# EAGLE board working (EAGLE 9.6.2), part 7 of 28 (continued)
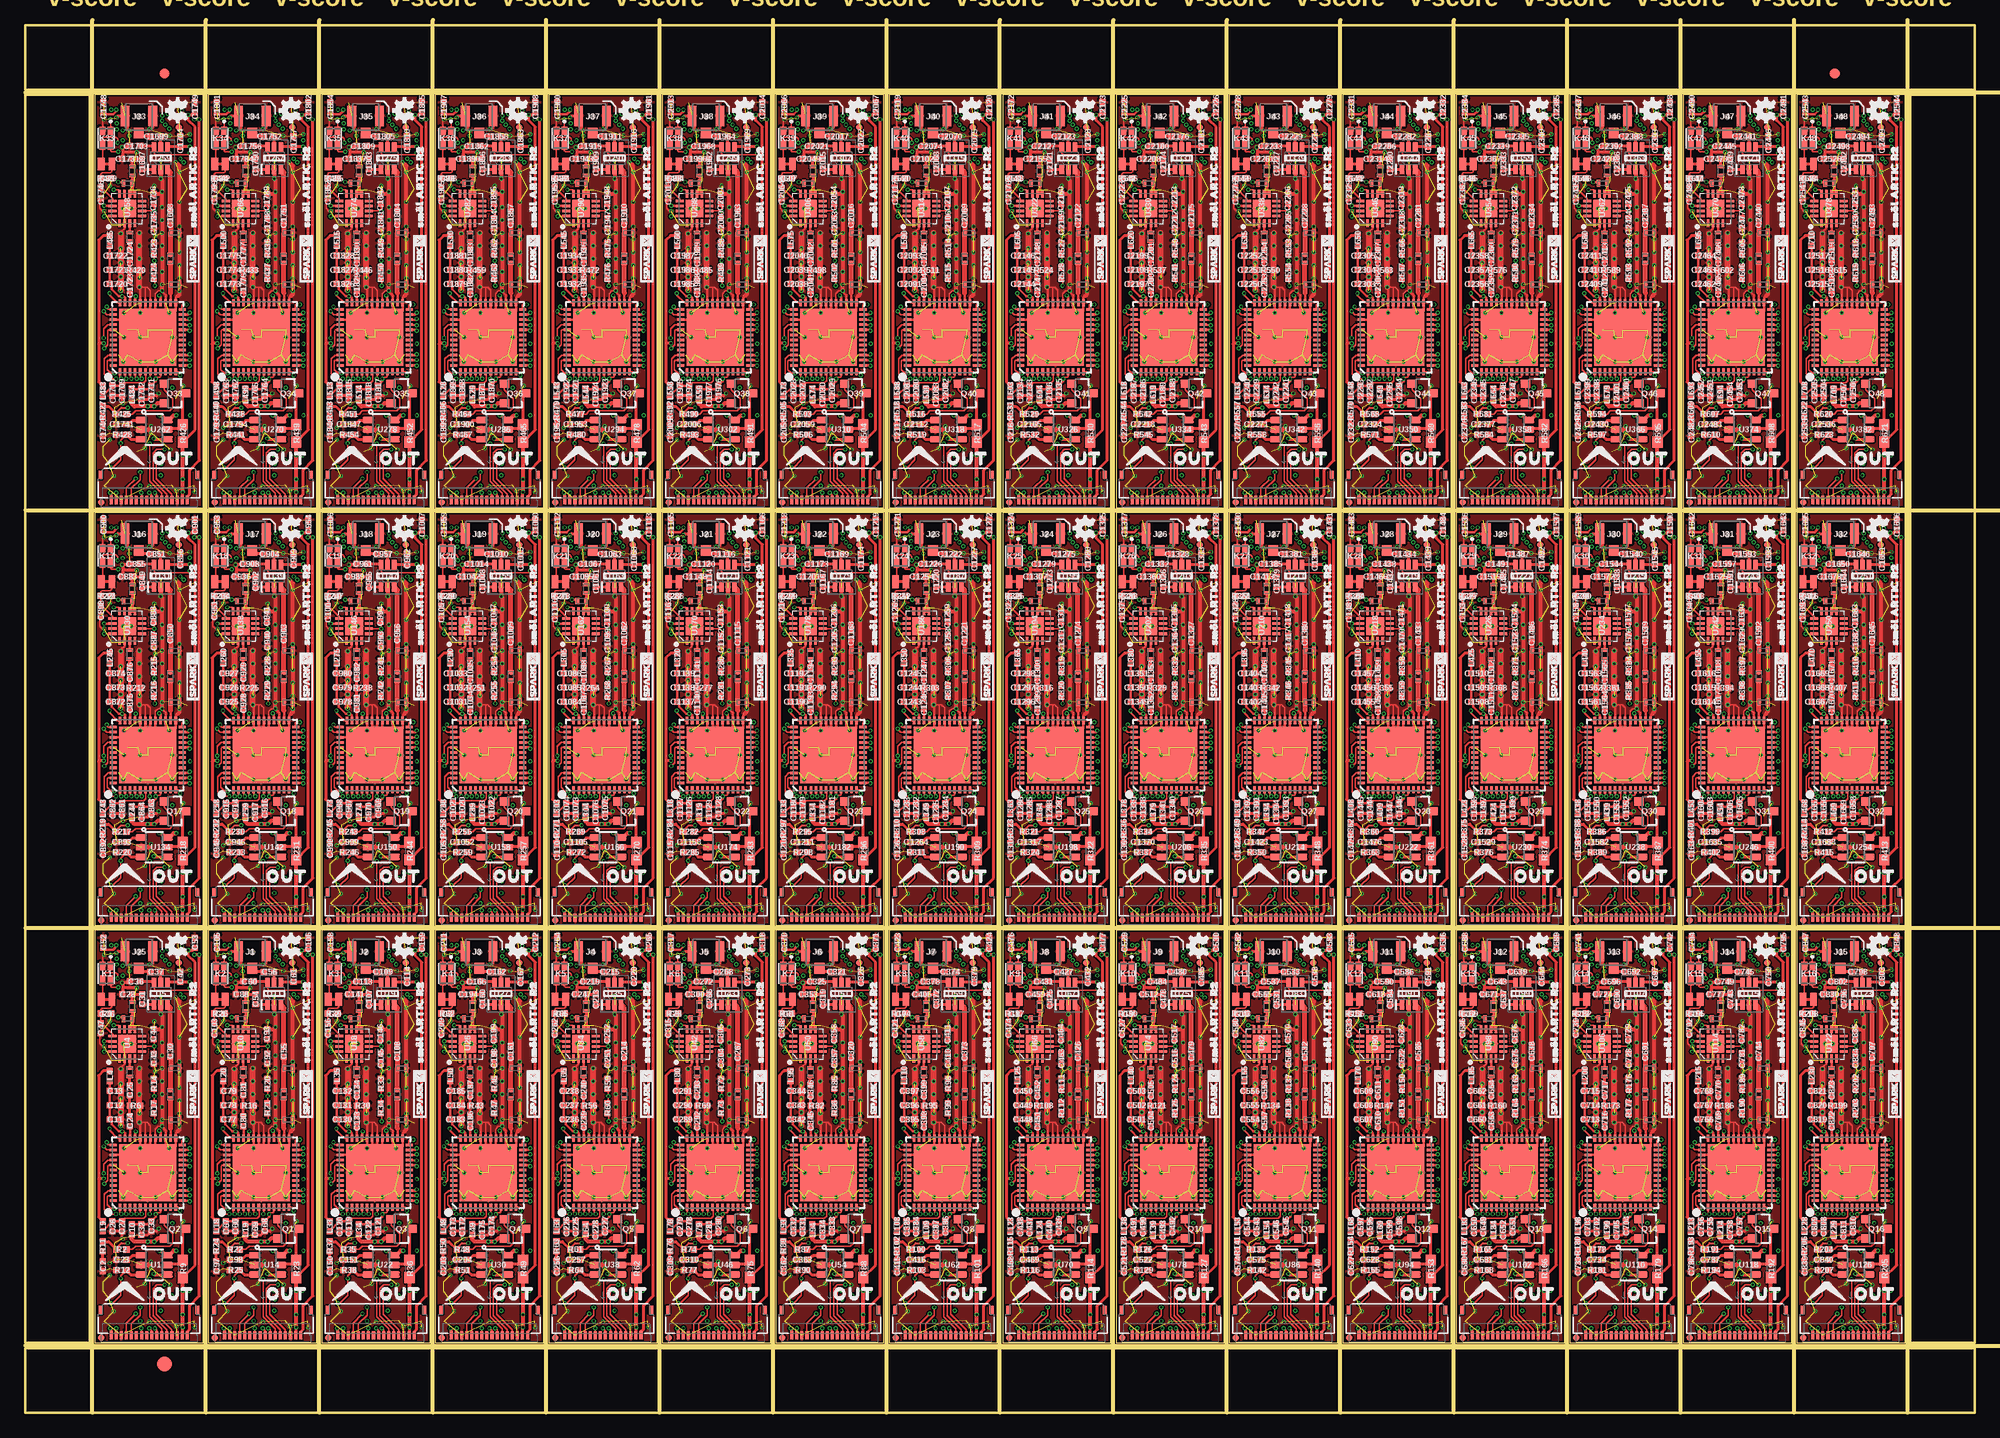
[diagram p0: board, top side]
## Nets
1.8V: 1V8.1 C4.1 L2.2 L4.2 L9.2 L13.2 L14.2 U2.5
1.8V1: 1V1.1 C57.1 L16.2 L18.2 L20.2 L22.2 L29.2 U12.5
1.8V2: 1V2.1 C110.1 L31.2 L33.2 L35.2 L37.2 L44.2 U20.5
1.8V3: 1V3.1 C163.1 L46.2 L48.2 L50.2 L52.2 L59.2 U28.5
1.8V4: 1V4.1 C216.1 L61.2 L63.2 L65.2 L67.2 L74.2 U36.5
1.8V5: 1V5.1 C269.1 L76.2 L78.2 L80.2 L82.2 L89.2 U44.5
1.8V6: 1V6.1 C322.1 L91.2 L93.2 L95.2 L97.2 L104.2 U52.5
1.8V7: 1V7.1 C375.1 L106.2 L108.2 L110.2 L112.2 L119.2 U60.5
1.8V8: 1V9.1 C428.1 L121.2 L123.2 L125.2 L127.2 L134.2 U68.5
1.8V9: 1V10.1 C481.1 L136.2 L138.2 L140.2 L142.2 L149.2 U76.5
1.8V10: 1V11.1 C534.1 L151.2 L153.2 L155.2 L157.2 L164.2 U84.5
1.8V11: 1V12.1 C587.1 L166.2 L168.2 L170.2 L172.2 L179.2 U92.5
1.8V12: 1V13.1 C640.1 L181.2 L183.2 L185.2 L187.2 L194.2 U100.5
1.8V13: 1V14.1 C693.1 L196.2 L198.2 L200.2 L202.2 L209.2 U108.5
1.8V14: 1V15.1 C746.1 L211.2 L213.2 L215.2 L217.2 L224.2 U116.5
1.8V15: 1V16.1 C799.1 L226.2 L228.2 L230.2 L232.2 L239.2 U124.5
1.8V16: 1V17.1 C852.1 L241.2 L243.2 L245.2 L247.2 L254.2 U132.5
1.8V17: 1V18.1 C905.1 L256.2 L258.2 L260.2 L262.2 L269.2 U140.5
1.8V18: 1V19.1 C958.1 L271.2 L273.2 L275.2 L277.2 L284.2 U148.5
1.8V19: 1V20.1 C1011.1 L286.2 L288.2 L290.2 L292.2 L299.2 U156.5
1.8V20: 1V21.1 C1064.1 L301.2 L303.2 L305.2 L307.2 L314.2 U164.5
1.8V21: 1V22.1 C1117.1 L316.2 L318.2 L320.2 L322.2 L329.2 U172.5
1.8V22: 1V23.1 C1170.1 L331.2 L333.2 L335.2 L337.2 L344.2 U180.5
1.8V23: 1V24.1 C1223.1 L346.2 L348.2 L350.2 L352.2 L359.2 U188.5
1.8V24: 1V25.1 C1276.1 L361.2 L363.2 L365.2 L367.2 L374.2 U196.5
1.8V25: 1V26.1 C1329.1 L376.2 L378.2 L380.2 L382.2 L389.2 U204.5
1.8V26: 1V27.1 C1382.1 L391.2 L393.2 L395.2 L397.2 L404.2 U212.5
1.8V27: 1V28.1 C1435.1 L406.2 L408.2 L410.2 L412.2 L419.2 U220.5
1.8V28: 1V29.1 C1488.1 L421.2 L423.2 L425.2 L427.2 L434.2 U228.5
1.8V29: 1V30.1 C1541.1 L436.2 L438.2 L440.2 L442.2 L449.2 U236.5
1.8V30: 1V31.1 C1594.1 L451.2 L453.2 L455.2 L457.2 L464.2 U244.5
1.8V31: 1V32.1 C1647.1 L466.2 L468.2 L470.2 L472.2 L479.2 U252.5
1.8V32: 1V33.1 C1700.1 L481.2 L483.2 L485.2 L487.2 L494.2 U260.5
1.8V33: 1V34.1 C1753.1 L496.2 L498.2 L500.2 L502.2 L509.2 U268.5
1.8V34: 1V35.1 C1806.1 L511.2 L513.2 L515.2 L517.2 L524.2 U276.5
1.8V35: 1V36.1 C1859.1 L526.2 L528.2 L530.2 L532.2 L539.2 U284.5
1.8V36: 1V37.1 C1912.1 L541.2 L543.2 L545.2 L547.2 L554.2 U292.5
1.8V37: 1V38.1 C1965.1 L556.2 L558.2 L560.2 L562.2 L569.2 U300.5
1.8V38: 1V39.1 C2018.1 L571.2 L573.2 L575.2 L577.2 L584.2 U308.5
1.8V39: 1V40.1 C2071.1 L586.2 L588.2 L590.2 L592.2 L599.2 U316.5
1.8V40: 1V41.1 C2124.1 L601.2 L603.2 L605.2 L607.2 L614.2 U324.5
1.8V41: 1V42.1 C2177.1 L616.2 L618.2 L620.2 L622.2 L629.2 U332.5
1.8V42: 1V43.1 C2230.1 L631.2 L633.2 L635.2 L637.2 L644.2 U340.5
1.8V43: 1V44.1 C2283.1 L646.2 L648.2 L650.2 L652.2 L659.2 U348.5
1.8V44: 1V45.1 C2336.1 L661.2 L663.2 L665.2 L667.2 L674.2 U356.5
1.8V45: 1V46.1 C2389.1 L676.2 L678.2 L680.2 L682.2 L689.2 U364.5
1.8V46: 1V47.1 C2442.1 L691.2 L693.2 L695.2 L697.2 L704.2 U372.5
1.8V47: 1V48.1 C2495.1 L706.2 L708.2 L710.2 L712.2 L719.2 U380.5
3.3V: C1.1 C48.1 C52.1 C53.1 IN.2 IN.15 OUT.2 OUT.15 R9.2 U1.6
3.3V1: C59.1 C96.1 C105.1 C106.1 IN1.2 IN1.15 OUT1.2 OUT1.15 R23.2 U14.6
3.3V2: C112.1 C149.1 C158.1 C159.1 IN2.2 IN2.15 OUT2.2 OUT2.15 R36.2 U22.6
3.3V3: C165.1 C202.1 C211.1 C212.1 IN3.2 IN3.15 OUT3.2 OUT3.15 R49.2 U30.6
3.3V4: C218.1 C255.1 C264.1 C265.1 IN4.2 IN4.15 OUT4.2 OUT4.15 R62.2 U38.6
3.3V5: C271.1 C308.1 C317.1 C318.1 IN5.2 IN5.15 OUT5.2 OUT5.15 R75.2 U46.6
3.3V6: C324.1 C361.1 C370.1 C371.1 IN6.2 IN6.15 OUT6.2 OUT6.15 R88.2 U54.6
3.3V7: C377.1 C414.1 C423.1 C424.1 IN7.2 IN7.15 OUT7.2 OUT7.15 R101.2 U62.6
3.3V8: C430.1 C467.1 C476.1 C477.1 IN8.2 IN8.15 OUT8.2 OUT8.15 R114.2 U70.6
3.3V9: C483.1 C520.1 C529.1 C530.1 IN9.2 IN9.15 OUT9.2 OUT9.15 R127.2 U78.6
3.3V10: C536.1 C573.1 C582.1 C583.1 IN10.2 IN10.15 OUT10.2 OUT10.15 R140.2 U86.6
3.3V11: C589.1 C626.1 C635.1 C636.1 IN11.2 IN11.15 OUT11.2 OUT11.15 R153.2 U94.6
3.3V12: C642.1 C679.1 C688.1 C689.1 IN12.2 IN12.15 OUT12.2 OUT12.15 R166.2 U102.6
3.3V13: C695.1 C732.1 C741.1 C742.1 IN13.2 IN13.15 OUT13.2 OUT13.15 R179.2 U110.6
3.3V14: C748.1 C785.1 C794.1 C795.1 IN14.2 IN14.15 OUT14.2 OUT14.15 R192.2 U118.6
3.3V15: C801.1 C838.1 C847.1 C848.1 IN15.2 IN15.15 OUT15.2 OUT15.15 R205.2 U126.6
3.3V16: C854.1 C891.1 C900.1 C901.1 IN16.2 IN16.15 OUT16.2 OUT16.15 R218.2 U134.6
3.3V17: C907.1 C944.1 C953.1 C954.1 IN17.2 IN17.15 OUT17.2 OUT17.15 R231.2 U142.6
3.3V18: C960.1 C997.1 C1006.1 C1007.1 IN18.2 IN18.15 OUT18.2 OUT18.15 R244.2 U150.6
3.3V19: C1013.1 C1050.1 C1059.1 C1060.1 IN19.2 IN19.15 OUT19.2 OUT19.15 R257.2 U158.6
3.3V20: C1066.1 C1103.1 C1112.1 C1113.1 IN20.2 IN20.15 OUT20.2 OUT20.15 R270.2 U166.6
3.3V21: C1119.1 C1156.1 C1165.1 C1166.1 IN21.2 IN21.15 OUT21.2 OUT21.15 R283.2 U174.6
3.3V22: C1172.1 C1209.1 C1218.1 C1219.1 IN22.2 IN22.15 OUT22.2 OUT22.15 R296.2 U182.6
3.3V23: C1225.1 C1262.1 C1271.1 C1272.1 IN23.2 IN23.15 OUT23.2 OUT23.15 R309.2 U190.6
3.3V24: C1278.1 C1315.1 C1324.1 C1325.1 IN24.2 IN24.15 OUT24.2 OUT24.15 R322.2 U198.6
3.3V25: C1331.1 C1368.1 C1377.1 C1378.1 IN25.2 IN25.15 OUT25.2 OUT25.15 R335.2 U206.6
3.3V26: C1384.1 C1421.1 C1430.1 C1431.1 IN26.2 IN26.15 OUT26.2 OUT26.15 R348.2 U214.6
3.3V27: C1437.1 C1474.1 C1483.1 C1484.1 IN27.2 IN27.15 OUT27.2 OUT27.15 R361.2 U222.6
3.3V28: C1490.1 C1527.1 C1536.1 C1537.1 IN28.2 IN28.15 OUT28.2 OUT28.15 R374.2 U230.6
3.3V29: C1543.1 C1580.1 C1589.1 C1590.1 IN29.2 IN29.15 OUT29.2 OUT29.15 R387.2 U238.6
3.3V30: C1596.1 C1633.1 C1642.1 C1643.1 IN30.2 IN30.15 OUT30.2 OUT30.15 R400.2 U246.6
3.3V31: C1649.1 C1686.1 C1695.1 C1696.1 IN31.2 IN31.15 OUT31.2 OUT31.15 R413.2 U254.6
3.3V32: C1702.1 C1739.1 C1748.1 C1749.1 IN32.2 IN32.15 OUT32.2 OUT32.15 R426.2 U262.6
3.3V33: C1755.1 C1792.1 C1801.1 C1802.1 IN33.2 IN33.15 OUT33.2 OUT33.15 R439.2 U270.6
3.3V34: C1808.1 C1845.1 C1854.1 C1855.1 IN34.2 IN34.15 OUT34.2 OUT34.15 R452.2 U278.6
3.3V35: C1861.1 C1898.1 C1907.1 C1908.1 IN35.2 IN35.15 OUT35.2 OUT35.15 R465.2 U286.6
3.3V36: C1914.1 C1951.1 C1960.1 C1961.1 IN36.2 IN36.15 OUT36.2 OUT36.15 R478.2 U294.6
3.3V37: C1967.1 C2004.1 C2013.1 C2014.1 IN37.2 IN37.15 OUT37.2 OUT37.15 R491.2 U302.6
3.3V38: C2020.1 C2057.1 C2066.1 C2067.1 IN38.2 IN38.15 OUT38.2 OUT38.15 R504.2 U310.6
3.3V39: C2073.1 C2110.1 C2119.1 C2120.1 IN39.2 IN39.15 OUT39.2 OUT39.15 R517.2 U318.6
3.3V40: C2126.1 C2163.1 C2172.1 C2173.1 IN40.2 IN40.15 OUT40.2 OUT40.15 R530.2 U326.6
3.3V41: C2179.1 C2216.1 C2225.1 C2226.1 IN41.2 IN41.15 OUT41.2 OUT41.15 R543.2 U334.6
3.3V42: C2232.1 C2269.1 C2278.1 C2279.1 IN42.2 IN42.15 OUT42.2 OUT42.15 R556.2 U342.6
3.3V43: C2285.1 C2322.1 C2331.1 C2332.1 IN43.2 IN43.15 OUT43.2 OUT43.15 R569.2 U350.6
3.3V44: C2338.1 C2375.1 C2384.1 C2385.1 IN44.2 IN44.15 OUT44.2 OUT44.15 R582.2 U358.6
3.3V45: C2391.1 C2428.1 C2437.1 C2438.1 IN45.2 IN45.15 OUT45.2 OUT45.15 R595.2 U366.6
3.3V46: C2444.1 C2481.1 C2490.1 C2491.1 IN46.2 IN46.15 OUT46.2 OUT46.15 R608.2 U374.6
3.3V47: C2497.1 C2534.1 C2543.1 C2544.1 IN47.2 IN47.15 OUT47.2 OUT47.15 R621.2 U382.6
ANTENNA: C37.1 J25.FEED
ANTENNA1: C56.1 J1.FEED
ANTENNA2: C109.1 J2.FEED
ANTENNA3: C162.1 J3.FEED
ANTENNA4: C215.1 J4.FEED
ANTENNA5: C268.1 J5.FEED
ANTENNA6: C321.1 J6.FEED
ANTENNA7: C374.1 J7.FEED
ANTENNA8: C427.1 J8.FEED
ANTENNA9: C480.1 J9.FEED
ANTENNA10: C533.1 J10.FEED
ANTENNA11: C586.1 J11.FEED
ANTENNA12: C639.1 J12.FEED
ANTENNA13: C692.1 J13.FEED
ANTENNA14: C745.1 J14.FEED
ANTENNA15: C798.1 J15.FEED
ANTENNA16: C851.1 J16.FEED
ANTENNA17: C904.1 J17.FEED
ANTENNA18: C957.1 J18.FEED
ANTENNA19: C1010.1 J19.FEED
ANTENNA20: C1063.1 J20.FEED
ANTENNA21: C1116.1 J21.FEED
ANTENNA22: C1169.1 J22.FEED
ANTENNA23: C1222.1 J23.FEED
ANTENNA24: C1275.1 J24.FEED
ANTENNA25: C1328.1 J26.FEED
ANTENNA26: C1381.1 J27.FEED
ANTENNA27: C1434.1 J28.FEED
ANTENNA28: C1487.1 J29.FEED
ANTENNA29: C1540.1 J30.FEED
ANTENNA30: C1593.1 J31.FEED
ANTENNA31: C1646.1 J32.FEED
ANTENNA32: C1699.1 J33.FEED
ANTENNA33: C1752.1 J34.FEED
ANTENNA34: C1805.1 J35.FEED
ANTENNA35: C1858.1 J36.FEED
ANTENNA36: C1911.1 J37.FEED
ANTENNA37: C1964.1 J38.FEED
ANTENNA38: C2017.1 J39.FEED
ANTENNA39: C2070.1 J40.FEED
ANTENNA40: C2123.1 J41.FEED
ANTENNA41: C2176.1 J42.FEED
ANTENNA42: C2229.1 J43.FEED
ANTENNA43: C2282.1 J44.FEED
ANTENNA44: C2335.1 J45.FEED
ANTENNA45: C2388.1 J46.FEED
ANTENNA46: C2441.1 J47.FEED
ANTENNA47: C2494.1 J48.FEED
BOOT: R5.1 U3.46 U8.3
BOOT1: R13.1 U9.46 U16.3
BOOT2: R28.1 U17.46 U24.3
BOOT3: R41.1 U25.46 U32.3
BOOT4: R54.1 U33.46 U40.3
BOOT5: R67.1 U41.46 U48.3
BOOT6: R80.1 U49.46 U56.3
BOOT7: R93.1 U57.46 U64.3
BOOT8: R106.1 U65.46 U72.3
BOOT9: R119.1 U73.46 U80.3
BOOT10: R132.1 U81.46 U88.3
BOOT11: R145.1 U89.46 U96.3
BOOT12: R158.1 U97.46 U104.3
BOOT13: R171.1 U105.46 U112.3
BOOT14: R184.1 U113.46 U120.3
BOOT15: R197.1 U121.46 U128.3
BOOT16: R210.1 U129.46 U136.3
BOOT17: R223.1 U137.46 U144.3
BOOT18: R236.1 U145.46 U152.3
BOOT19: R249.1 U153.46 U160.3
BOOT20: R262.1 U161.46 U168.3
BOOT21: R275.1 U169.46 U176.3
BOOT22: R288.1 U177.46 U184.3
BOOT23: R301.1 U185.46 U192.3
BOOT24: R314.1 U193.46 U200.3
BOOT25: R327.1 U201.46 U208.3
BOOT26: R340.1 U209.46 U216.3
BOOT27: R353.1 U217.46 U224.3
BOOT28: R366.1 U225.46 U232.3
BOOT29: R379.1 U233.46 U240.3
BOOT30: R392.1 U241.46 U248.3
BOOT31: R405.1 U249.46 U256.3
BOOT32: R418.1 U257.46 U264.3
BOOT33: R431.1 U265.46 U272.3
BOOT34: R444.1 U273.46 U280.3
BOOT35: R457.1 U281.46 U288.3
BOOT36: R470.1 U289.46 U296.3
BOOT37: R483.1 U297.46 U304.3
BOOT38: R496.1 U305.46 U312.3
BOOT39: R509.1 U313.46 U320.3
BOOT40: R522.1 U321.46 U328.3
BOOT41: R535.1 U329.46 U336.3
BOOT42: R548.1 U337.46 U344.3
BOOT43: R561.1 U345.46 U352.3
BOOT44: R574.1 U353.46 U360.3
BOOT45: R587.1 U361.46 U368.3
BOOT46: R600.1 U369.46 U376.3
BOOT47: R613.1 U377.46 U384.3
CIPO: IN.6 OUT.6 U3.5
CIPO1: IN1.6 OUT1.6 U9.5
CIPO2: IN2.6 OUT2.6 U17.5
CIPO3: IN3.6 OUT3.6 U25.5
CIPO4: IN4.6 OUT4.6 U33.5
CIPO5: IN5.6 OUT5.6 U41.5
CIPO6: IN6.6 OUT6.6 U49.5
CIPO7: IN7.6 OUT7.6 U57.5
CIPO8: IN8.6 OUT8.6 U65.5
CIPO9: IN9.6 OUT9.6 U73.5
CIPO10: IN10.6 OUT10.6 U81.5
CIPO11: IN11.6 OUT11.6 U89.5
CIPO12: IN12.6 OUT12.6 U97.5
CIPO13: IN13.6 OUT13.6 U105.5
CIPO14: IN14.6 OUT14.6 U113.5
CIPO15: IN15.6 OUT15.6 U121.5
CIPO16: IN16.6 OUT16.6 U129.5
CIPO17: IN17.6 OUT17.6 U137.5
CIPO18: IN18.6 OUT18.6 U145.5
CIPO19: IN19.6 OUT19.6 U153.5
CIPO20: IN20.6 OUT20.6 U161.5
CIPO21: IN21.6 OUT21.6 U169.5
CIPO22: IN22.6 OUT22.6 U177.5
CIPO23: IN23.6 OUT23.6 U185.5
CIPO24: IN24.6 OUT24.6 U193.5
CIPO25: IN25.6 OUT25.6 U201.5
CIPO26: IN26.6 OUT26.6 U209.5
CIPO27: IN27.6 OUT27.6 U217.5
CIPO28: IN28.6 OUT28.6 U225.5
CIPO29: IN29.6 OUT29.6 U233.5
CIPO30: IN30.6 OUT30.6 U241.5
CIPO31: IN31.6 OUT31.6 U249.5
CIPO32: IN32.6 OUT32.6 U257.5
CIPO33: IN33.6 OUT33.6 U265.5
CIPO34: IN34.6 OUT34.6 U273.5
CIPO35: IN35.6 OUT35.6 U281.5
CIPO36: IN36.6 OUT36.6 U289.5
CIPO37: IN37.6 OUT37.6 U297.5
CIPO38: IN38.6 OUT38.6 U305.5
CIPO39: IN39.6 OUT39.6 U313.5
CIPO40: IN40.6 OUT40.6 U321.5
CIPO41: IN41.6 OUT41.6 U329.5
CIPO42: IN42.6 OUT42.6 U337.5
CIPO43: IN43.6 OUT43.6 U345.5
CIPO44: IN44.6 OUT44.6 U353.5
CIPO45: IN45.6 OUT45.6 U361.5
CIPO46: IN46.6 OUT46.6 U369.5
CIPO47: IN47.6 OUT47.6 U377.5
COPI: IN.5 OUT.5 U3.4
COPI1: IN1.5 OUT1.5 U9.4
COPI2: IN2.5 OUT2.5 U17.4
COPI3: IN3.5 OUT3.5 U25.4
COPI4: IN4.5 OUT4.5 U33.4
COPI5: IN5.5 OUT5.5 U41.4
COPI6: IN6.5 OUT6.5 U49.4
COPI7: IN7.5 OUT7.5 U57.4
COPI8: IN8.5 OUT8.5 U65.4
COPI9: IN9.5 OUT9.5 U73.4
COPI10: IN10.5 OUT10.5 U81.4
COPI11: IN11.5 OUT11.5 U89.4
COPI12: IN12.5 OUT12.5 U97.4
COPI13: IN13.5 OUT13.5 U105.4
COPI14: IN14.5 OUT14.5 U113.4
COPI15: IN15.5 OUT15.5 U121.4
COPI16: IN16.5 OUT16.5 U129.4
COPI17: IN17.5 OUT17.5 U137.4
COPI18: IN18.5 OUT18.5 U145.4
COPI19: IN19.5 OUT19.5 U153.4
COPI20: IN20.5 OUT20.5 U161.4
COPI21: IN21.5 OUT21.5 U169.4
COPI22: IN22.5 OUT22.5 U177.4
COPI23: IN23.5 OUT23.5 U185.4
COPI24: IN24.5 OUT24.5 U193.4
COPI25: IN25.5 OUT25.5 U201.4
COPI26: IN26.5 OUT26.5 U209.4
COPI27: IN27.5 OUT27.5 U217.4
COPI28: IN28.5 OUT28.5 U225.4
COPI29: IN29.5 OUT29.5 U233.4
COPI30: IN30.5 OUT30.5 U241.4
COPI31: IN31.5 OUT31.5 U249.4
COPI32: IN32.5 OUT32.5 U257.4
COPI33: IN33.5 OUT33.5 U265.4
COPI34: IN34.5 OUT34.5 U273.4
COPI35: IN35.5 OUT35.5 U281.4
COPI36: IN36.5 OUT36.5 U289.4
COPI37: IN37.5 OUT37.5 U297.4
COPI38: IN38.5 OUT38.5 U305.4
COPI39: IN39.5 OUT39.5 U313.4
COPI40: IN40.5 OUT40.5 U321.4
COPI41: IN41.5 OUT41.5 U329.4
COPI42: IN42.5 OUT42.5 U337.4
COPI43: IN43.5 OUT43.5 U345.4
COPI44: IN44.5 OUT44.5 U353.4
COPI45: IN45.5 OUT45.5 U361.4
COPI46: IN46.5 OUT46.5 U369.4
COPI47: IN47.5 OUT47.5 U377.4
CS0: CS0.1 IN.7 U3.2
CS1: IN.8 OUT.7
CS2: IN.9 OUT.8
CS3: CS1.1 IN1.7 U9.2
CS4: IN1.8 OUT1.7
CS5: IN1.9 OUT1.8
CS6: CS2.1 IN2.7 U17.2
CS7: IN2.8 OUT2.7
CS8: IN2.9 OUT2.8
CS9: CS3.1 IN3.7 U25.2
CS10: IN3.8 OUT3.7
CS11: IN3.9 OUT3.8
CS12: CS4.1 IN4.7 U33.2
CS13: IN4.8 OUT4.7
CS14: IN4.9 OUT4.8
CS15: CS5.1 IN5.7 U41.2
CS16: IN5.8 OUT5.7
CS17: IN5.9 OUT5.8
CS18: CS6.1 IN6.7 U49.2
CS19: IN6.8 OUT6.7
CS20: IN6.9 OUT6.8
CS21: CS7.1 IN7.7 U57.2
CS22: IN7.8 OUT7.7
CS23: IN7.9 OUT7.8
CS24: CS8.1 IN8.7 U65.2
CS25: IN8.8 OUT8.7
CS26: IN8.9 OUT8.8
CS27: CS9.1 IN9.7 U73.2
CS28: IN9.8 OUT9.7
CS29: IN9.9 OUT9.8
CS30: CS10.1 IN10.7 U81.2
CS31: IN10.8 OUT10.7
CS32: IN10.9 OUT10.8
CS33: CS11.1 IN11.7 U89.2
CS34: IN11.8 OUT11.7
CS35: IN11.9 OUT11.8
CS36: CS12.1 IN12.7 U97.2
CS37: IN12.8 OUT12.7
CS38: IN12.9 OUT12.8
CS39: CS13.1 IN13.7 U105.2
CS40: IN13.8 OUT13.7
CS41: IN13.9 OUT13.8
CS42: CS14.1 IN14.7 U113.2
CS43: IN14.8 OUT14.7
CS44: IN14.9 OUT14.8
CS45: CS15.1 IN15.7 U121.2
CS46: IN15.8 OUT15.7
CS47: IN15.9 OUT15.8
CS48: CS16.1 IN16.7 U129.2
CS49: IN16.8 OUT16.7
CS50: IN16.9 OUT16.8
CS51: CS17.1 IN17.7 U137.2
CS52: IN17.8 OUT17.7
CS53: IN17.9 OUT17.8
CS54: CS18.1 IN18.7 U145.2
CS55: IN18.8 OUT18.7
CS56: IN18.9 OUT18.8
CS57: CS19.1 IN19.7 U153.2
CS58: IN19.8 OUT19.7
CS59: IN19.9 OUT19.8
CS60: CS20.1 IN20.7 U161.2
CS61: IN20.8 OUT20.7
CS62: IN20.9 OUT20.8
CS63: CS21.1 IN21.7 U169.2
CS64: IN21.8 OUT21.7
CS65: IN21.9 OUT21.8
CS66: CS22.1 IN22.7 U177.2
CS67: IN22.8 OUT22.7
CS68: IN22.9 OUT22.8
CS69: CS23.1 IN23.7 U185.2
CS70: IN23.8 OUT23.7
CS71: IN23.9 OUT23.8
CS72: CS24.1 IN24.7 U193.2
CS73: IN24.8 OUT24.7
CS74: IN24.9 OUT24.8
CS75: CS25.1 IN25.7 U201.2
CS76: IN25.8 OUT25.7
CS77: IN25.9 OUT25.8
CS78: CS26.1 IN26.7 U209.2
CS79: IN26.8 OUT26.7
CS80: IN26.9 OUT26.8
CS81: CS27.1 IN27.7 U217.2
CS82: IN27.8 OUT27.7
CS83: IN27.9 OUT27.8
CS84: CS28.1 IN28.7 U225.2
CS85: IN28.8 OUT28.7
CS86: IN28.9 OUT28.8
CS87: CS29.1 IN29.7 U233.2
CS88: IN29.8 OUT29.7
CS89: IN29.9 OUT29.8
CS90: CS30.1 IN30.7 U241.2
CS91: IN30.8 OUT30.7
CS92: IN30.9 OUT30.8
CS93: CS31.1 IN31.7 U249.2
CS94: IN31.8 OUT31.7
CS95: IN31.9 OUT31.8
CS96: CS32.1 IN32.7 U257.2
CS97: IN32.8 OUT32.7
CS98: IN32.9 OUT32.8
CS99: CS33.1 IN33.7 U265.2
CS100: IN33.8 OUT33.7
CS101: IN33.9 OUT33.8
CS102: CS34.1 IN34.7 U273.2
CS103: IN34.8 OUT34.7
CS104: IN34.9 OUT34.8
CS105: CS35.1 IN35.7 U281.2
CS106: IN35.8 OUT35.7
CS107: IN35.9 OUT35.8
CS108: CS36.1 IN36.7 U289.2
CS109: IN36.8 OUT36.7
CS110: IN36.9 OUT36.8
CS111: CS37.1 IN37.7 U297.2
CS112: IN37.8 OUT37.7
CS113: IN37.9 OUT37.8
CS114: CS38.1 IN38.7 U305.2
CS115: IN38.8 OUT38.7
CS116: IN38.9 OUT38.8
CS117: CS39.1 IN39.7 U313.2
CS118: IN39.8 OUT39.7
CS119: IN39.9 OUT39.8
CS120: CS40.1 IN40.7 U321.2
CS121: IN40.8 OUT40.7
CS122: IN40.9 OUT40.8
CS123: CS41.1 IN41.7 U329.2
CS124: IN41.8 OUT41.7
CS125: IN41.9 OUT41.8
CS126: CS42.1 IN42.7 U337.2
CS127: IN42.8 OUT42.7
CS128: IN42.9 OUT42.8
CS129: CS43.1 IN43.7 U345.2
CS130: IN43.8 OUT43.7
CS131: IN43.9 OUT43.8
CS132: CS44.1 IN44.7 U353.2
CS133: IN44.8 OUT44.7
CS134: IN44.9 OUT44.8
CS135: CS45.1 IN45.7 U361.2
CS136: IN45.8 OUT45.7
CS137: IN45.9 OUT45.8
CS138: CS46.1 IN46.7 U369.2
CS139: IN46.8 OUT46.7
CS140: IN46.9 OUT46.8
CS141: CS47.1 IN47.7 U377.2
CS142: IN47.8 OUT47.7
CS143: IN47.9 OUT47.8
FLASH_VCC: C50.1 L1.1 U7.3 U7.7 U7.8
FLASH_VCC1: C102.1 L30.1 U15.3 U15.7 U15.8
FLASH_VCC2: C155.1 L45.1 U23.3 U23.7 U23.8
FLASH_VCC3: C208.1 L60.1 U31.3 U31.7 U31.8
FLASH_VCC4: C261.1 L75.1 U39.3 U39.7 U39.8
FLASH_VCC5: C314.1 L90.1 U47.3 U47.7 U47.8
FLASH_VCC6: C367.1 L105.1 U55.3 U55.7 U55.8
FLASH_VCC7: C420.1 L120.1 U63.3 U63.7 U63.8
FLASH_VCC8: C473.1 L135.1 U71.3 U71.7 U71.8
FLASH_VCC9: C526.1 L150.1 U79.3 U79.7 U79.8
FLASH_VCC10: C579.1 L165.1 U87.3 U87.7 U87.8
FLASH_VCC11: C632.1 L180.1 U95.3 U95.7 U95.8
FLASH_VCC12: C685.1 L195.1 U103.3 U103.7 U103.8
FLASH_VCC13: C738.1 L210.1 U111.3 U111.7 U111.8
FLASH_VCC14: C791.1 L225.1 U119.3 U119.7 U119.8
FLASH_VCC15: C844.1 L240.1 U127.3 U127.7 U127.8
FLASH_VCC16: C897.1 L255.1 U135.3 U135.7 U135.8
FLASH_VCC17: C950.1 L270.1 U143.3 U143.7 U143.8
FLASH_VCC18: C1003.1 L285.1 U151.3 U151.7 U151.8
FLASH_VCC19: C1056.1 L300.1 U159.3 U159.7 U159.8
FLASH_VCC20: C1109.1 L315.1 U167.3 U167.7 U167.8
FLASH_VCC21: C1162.1 L330.1 U175.3 U175.7 U175.8
FLASH_VCC22: C1215.1 L345.1 U183.3 U183.7 U183.8
FLASH_VCC23: C1268.1 L360.1 U191.3 U191.7 U191.8
FLASH_VCC24: C1321.1 L375.1 U199.3 U199.7 U199.8
FLASH_VCC25: C1374.1 L390.1 U207.3 U207.7 U207.8
FLASH_VCC26: C1427.1 L405.1 U215.3 U215.7 U215.8
FLASH_VCC27: C1480.1 L420.1 U223.3 U223.7 U223.8
FLASH_VCC28: C1533.1 L435.1 U231.3 U231.7 U231.8
FLASH_VCC29: C1586.1 L450.1 U239.3 U239.7 U239.8
FLASH_VCC30: C1639.1 L465.1 U247.3 U247.7 U247.8
FLASH_VCC31: C1692.1 L480.1 U255.3 U255.7 U255.8
FLASH_VCC32: C1745.1 L495.1 U263.3 U263.7 U263.8
FLASH_VCC33: C1798.1 L510.1 U271.3 U271.7 U271.8
FLASH_VCC34: C1851.1 L525.1 U279.3 U279.7 U279.8
FLASH_VCC35: C1904.1 L540.1 U287.3 U287.7 U287.8
FLASH_VCC36: C1957.1 L555.1 U295.3 U295.7 U295.8
FLASH_VCC37: C2010.1 L570.1 U303.3 U303.7 U303.8
FLASH_VCC38: C2063.1 L585.1 U311.3 U311.7 U311.8
FLASH_VCC39: C2116.1 L600.1 U319.3 U319.7 U319.8
FLASH_VCC40: C2169.1 L615.1 U327.3 U327.7 U327.8
FLASH_VCC41: C2222.1 L630.1 U335.3 U335.7 U335.8
FLASH_VCC42: C2275.1 L645.1 U343.3 U343.7 U343.8
FLASH_VCC43: C2328.1 L660.1 U351.3 U351.7 U351.8
FLASH_VCC44: C2381.1 L675.1 U359.3 U359.7 U359.8
FLASH_VCC45: C2434.1 L690.1 U367.3 U367.7 U367.8
FLASH_VCC46: C2487.1 L705.1 U375.3 U375.7 U375.8
FLASH_VCC47: C2540.1 L720.1 U383.3 U383.7 U383.8
FLSH_CEN: FLSH_CEN.1 U3.15 U7.1
FLSH_CEN1: FLSH_CEN1.1 U9.15 U15.1
FLSH_CEN2: FLSH_CEN2.1 U17.15 U23.1
FLSH_CEN3: FLSH_CEN3.1 U25.15 U31.1
FLSH_CEN4: FLSH_CEN4.1 U33.15 U39.1
FLSH_CEN5: FLSH_CEN5.1 U41.15 U47.1
FLSH_CEN6: FLSH_CEN6.1 U49.15 U55.1
FLSH_CEN7: FLSH_CEN7.1 U57.15 U63.1
FLSH_CEN8: FLSH_CEN8.1 U65.15 U71.1
FLSH_CEN9: FLSH_CEN9.1 U73.15 U79.1
FLSH_CEN10: FLSH_CEN10.1 U81.15 U87.1
FLSH_CEN11: FLSH_CEN11.1 U89.15 U95.1
FLSH_CEN12: FLSH_CEN12.1 U97.15 U103.1
FLSH_CEN13: FLSH_CEN13.1 U105.15 U111.1
FLSH_CEN14: FLSH_CEN14.1 U113.15 U119.1
FLSH_CEN15: FLSH_CEN15.1 U121.15 U127.1
FLSH_CEN16: FLSH_CEN16.1 U129.15 U135.1
FLSH_CEN17: FLSH_CEN17.1 U137.15 U143.1
FLSH_CEN18: FLSH_CEN18.1 U145.15 U151.1
FLSH_CEN19: FLSH_CEN19.1 U153.15 U159.1
FLSH_CEN20: FLSH_CEN20.1 U161.15 U167.1
FLSH_CEN21: FLSH_CEN21.1 U169.15 U175.1
FLSH_CEN22: FLSH_CEN22.1 U177.15 U183.1
FLSH_CEN23: FLSH_CEN23.1 U185.15 U191.1
FLSH_CEN24: FLSH_CEN24.1 U193.15 U199.1
FLSH_CEN25: FLSH_CEN25.1 U201.15 U207.1
FLSH_CEN26: FLSH_CEN26.1 U209.15 U215.1
FLSH_CEN27: FLSH_CEN27.1 U217.15 U223.1
FLSH_CEN28: FLSH_CEN28.1 U225.15 U231.1
FLSH_CEN29: FLSH_CEN29.1 U233.15 U239.1
FLSH_CEN30: FLSH_CEN30.1 U241.15 U247.1
FLSH_CEN31: FLSH_CEN31.1 U249.15 U255.1
FLSH_CEN32: FLSH_CEN32.1 U257.15 U263.1
FLSH_CEN33: FLSH_CEN33.1 U265.15 U271.1
FLSH_CEN34: FLSH_CEN34.1 U273.15 U279.1
FLSH_CEN35: FLSH_CEN35.1 U281.15 U287.1
FLSH_CEN36: FLSH_CEN36.1 U289.15 U295.1
FLSH_CEN37: FLSH_CEN37.1 U297.15 U303.1
FLSH_CEN38: FLSH_CEN38.1 U305.15 U311.1
FLSH_CEN39: FLSH_CEN39.1 U313.15 U319.1
FLSH_CEN40: FLSH_CEN40.1 U321.15 U327.1
FLSH_CEN41: FLSH_CEN41.1 U329.15 U335.1
FLSH_CEN42: FLSH_CEN42.1 U337.15 U343.1
FLSH_CEN43: FLSH_CEN43.1 U345.15 U351.1
FLSH_CEN44: FLSH_CEN44.1 U353.15 U359.1
FLSH_CEN45: FLSH_CEN45.1 U361.15 U367.1
FLSH_CEN46: FLSH_CEN46.1 U369.15 U375.1
FLSH_CEN47: FLSH_CEN47.1 U377.15 U383.1
FLSH_SCLK: FLSH_SCLK.1 U3.12 U7.6
FLSH_SCLK1: FLSH_SCLK1.1 U9.12 U15.6
FLSH_SCLK2: FLSH_SCLK2.1 U17.12 U23.6
FLSH_SCLK3: FLSH_SCLK3.1 U25.12 U31.6
FLSH_SCLK4: FLSH_SCLK4.1 U33.12 U39.6
FLSH_SCLK5: FLSH_SCLK5.1 U41.12 U47.6
FLSH_SCLK6: FLSH_SCLK6.1 U49.12 U55.6
FLSH_SCLK7: FLSH_SCLK7.1 U57.12 U63.6
FLSH_SCLK8: FLSH_SCLK8.1 U65.12 U71.6
FLSH_SCLK9: FLSH_SCLK9.1 U73.12 U79.6
FLSH_SCLK10: FLSH_SCLK10.1 U81.12 U87.6
FLSH_SCLK11: FLSH_SCLK11.1 U89.12 U95.6
FLSH_SCLK12: FLSH_SCLK12.1 U97.12 U103.6
FLSH_SCLK13: FLSH_SCLK13.1 U105.12 U111.6
FLSH_SCLK14: FLSH_SCLK14.1 U113.12 U119.6
FLSH_SCLK15: FLSH_SCLK15.1 U121.12 U127.6
FLSH_SCLK16: FLSH_SCLK16.1 U129.12 U135.6
FLSH_SCLK17: FLSH_SCLK17.1 U137.12 U143.6
FLSH_SCLK18: FLSH_SCLK18.1 U145.12 U151.6
FLSH_SCLK19: FLSH_SCLK19.1 U153.12 U159.6
FLSH_SCLK20: FLSH_SCLK20.1 U161.12 U167.6
FLSH_SCLK21: FLSH_SCLK21.1 U169.12 U175.6
FLSH_SCLK22: FLSH_SCLK22.1 U177.12 U183.6
FLSH_SCLK23: FLSH_SCLK23.1 U185.12 U191.6
FLSH_SCLK24: FLSH_SCLK24.1 U193.12 U199.6
FLSH_SCLK25: FLSH_SCLK25.1 U201.12 U207.6
FLSH_SCLK26: FLSH_SCLK26.1 U209.12 U215.6
FLSH_SCLK27: FLSH_SCLK27.1 U217.12 U223.6
FLSH_SCLK28: FLSH_SCLK28.1 U225.12 U231.6
FLSH_SCLK29: FLSH_SCLK29.1 U233.12 U239.6
FLSH_SCLK30: FLSH_SCLK30.1 U241.12 U247.6
FLSH_SCLK31: FLSH_SCLK31.1 U249.12 U255.6
FLSH_SCLK32: FLSH_SCLK32.1 U257.12 U263.6
FLSH_SCLK33: FLSH_SCLK33.1 U265.12 U271.6
FLSH_SCLK34: FLSH_SCLK34.1 U273.12 U279.6
FLSH_SCLK35: FLSH_SCLK35.1 U281.12 U287.6
FLSH_SCLK36: FLSH_SCLK36.1 U289.12 U295.6
FLSH_SCLK37: FLSH_SCLK37.1 U297.12 U303.6
FLSH_SCLK38: FLSH_SCLK38.1 U305.12 U311.6
FLSH_SCLK39: FLSH_SCLK39.1 U313.12 U319.6
FLSH_SCLK40: FLSH_SCLK40.1 U321.12 U327.6
FLSH_SCLK41: FLSH_SCLK41.1 U329.12 U335.6
FLSH_SCLK42: FLSH_SCLK42.1 U337.12 U343.6
FLSH_SCLK43: FLSH_SCLK43.1 U345.12 U351.6
FLSH_SCLK44: FLSH_SCLK44.1 U353.12 U359.6
FLSH_SCLK45: FLSH_SCLK45.1 U361.12 U367.6
FLSH_SCLK46: FLSH_SCLK46.1 U369.12 U375.6
FLSH_SCLK47: FLSH_SCLK47.1 U377.12 U383.6
FLSH_SI: FLSH_SI.1 U3.13 U7.5
FLSH_SI1: FLSH_SI1.1 U9.13 U15.5
FLSH_SI2: FLSH_SI2.1 U17.13 U23.5
FLSH_SI3: FLSH_SI3.1 U25.13 U31.5
FLSH_SI4: FLSH_SI4.1 U33.13 U39.5
FLSH_SI5: FLSH_SI5.1 U41.13 U47.5
FLSH_SI6: FLSH_SI6.1 U49.13 U55.5
FLSH_SI7: FLSH_SI7.1 U57.13 U63.5
FLSH_SI8: FLSH_SI8.1 U65.13 U71.5
FLSH_SI9: FLSH_SI9.1 U73.13 U79.5
FLSH_SI10: FLSH_SI10.1 U81.13 U87.5
FLSH_SI11: FLSH_SI11.1 U89.13 U95.5
FLSH_SI12: FLSH_SI12.1 U97.13 U103.5
FLSH_SI13: FLSH_SI13.1 U105.13 U111.5
FLSH_SI14: FLSH_SI14.1 U113.13 U119.5
FLSH_SI15: FLSH_SI15.1 U121.13 U127.5
FLSH_SI16: FLSH_SI16.1 U129.13 U135.5
FLSH_SI17: FLSH_SI17.1 U137.13 U143.5
FLSH_SI18: FLSH_SI18.1 U145.13 U151.5
FLSH_SI19: FLSH_SI19.1 U153.13 U159.5
FLSH_SI20: FLSH_SI20.1 U161.13 U167.5
FLSH_SI21: FLSH_SI21.1 U169.13 U175.5
FLSH_SI22: FLSH_SI22.1 U177.13 U183.5
FLSH_SI23: FLSH_SI23.1 U185.13 U191.5
FLSH_SI24: FLSH_SI24.1 U193.13 U199.5
FLSH_SI25: FLSH_SI25.1 U201.13 U207.5
FLSH_SI26: FLSH_SI26.1 U209.13 U215.5
FLSH_SI27: FLSH_SI27.1 U217.13 U223.5
FLSH_SI28: FLSH_SI28.1 U225.13 U231.5
FLSH_SI29: FLSH_SI29.1 U233.13 U239.5
FLSH_SI30: FLSH_SI30.1 U241.13 U247.5
FLSH_SI31: FLSH_SI31.1 U249.13 U255.5
FLSH_SI32: FLSH_SI32.1 U257.13 U263.5
FLSH_SI33: FLSH_SI33.1 U265.13 U271.5
FLSH_SI34: FLSH_SI34.1 U273.13 U279.5
FLSH_SI35: FLSH_SI35.1 U281.13 U287.5
FLSH_SI36: FLSH_SI36.1 U289.13 U295.5
FLSH_SI37: FLSH_SI37.1 U297.13 U303.5
FLSH_SI38: FLSH_SI38.1 U305.13 U311.5
FLSH_SI39: FLSH_SI39.1 U313.13 U319.5
FLSH_SI40: FLSH_SI40.1 U321.13 U327.5
FLSH_SI41: FLSH_SI41.1 U329.13 U335.5
FLSH_SI42: FLSH_SI42.1 U337.13 U343.5
FLSH_SI43: FLSH_SI43.1 U345.13 U351.5
FLSH_SI44: FLSH_SI44.1 U353.13 U359.5
FLSH_SI45: FLSH_SI45.1 U361.13 U367.5
FLSH_SI46: FLSH_SI46.1 U369.13 U375.5
FLSH_SI47: FLSH_SI47.1 U377.13 U383.5
FLSH_SO: FLSH_SO.1 U3.14 U7.2
FLSH_SO1: FLSH_SO1.1 U9.14 U15.2
FLSH_SO2: FLSH_SO2.1 U17.14 U23.2
FLSH_SO3: FLSH_SO3.1 U25.14 U31.2
FLSH_SO4: FLSH_SO4.1 U33.14 U39.2
FLSH_SO5: FLSH_SO5.1 U41.14 U47.2
FLSH_SO6: FLSH_SO6.1 U49.14 U55.2
FLSH_SO7: FLSH_SO7.1 U57.14 U63.2
FLSH_SO8: FLSH_SO8.1 U65.14 U71.2
FLSH_SO9: FLSH_SO9.1 U73.14 U79.2
FLSH_SO10: FLSH_SO10.1 U81.14 U87.2
FLSH_SO11: FLSH_SO11.1 U89.14 U95.2
FLSH_SO12: FLSH_SO12.1 U97.14 U103.2
FLSH_SO13: FLSH_SO13.1 U105.14 U111.2
FLSH_SO14: FLSH_SO14.1 U113.14 U119.2
FLSH_SO15: FLSH_SO15.1 U121.14 U127.2
FLSH_SO16: FLSH_SO16.1 U129.14 U135.2
FLSH_SO17: FLSH_SO17.1 U137.14 U143.2
FLSH_SO18: FLSH_SO18.1 U145.14 U151.2
FLSH_SO19: FLSH_SO19.1 U153.14 U159.2
FLSH_SO20: FLSH_SO20.1 U161.14 U167.2
FLSH_SO21: FLSH_SO21.1 U169.14 U175.2
FLSH_SO22: FLSH_SO22.1 U177.14 U183.2
FLSH_SO23: FLSH_SO23.1 U185.14 U191.2
FLSH_SO24: FLSH_SO24.1 U193.14 U199.2
FLSH_SO25: FLSH_SO25.1 U201.14 U207.2
FLSH_SO26: FLSH_SO26.1 U209.14 U215.2
FLSH_SO27: FLSH_SO27.1 U217.14 U223.2
FLSH_SO28: FLSH_SO28.1 U225.14 U231.2
FLSH_SO29: FLSH_SO29.1 U233.14 U239.2
FLSH_SO30: FLSH_SO30.1 U241.14 U247.2
FLSH_SO31: FLSH_SO31.1 U249.14 U255.2
FLSH_SO32: FLSH_SO32.1 U257.14 U263.2
FLSH_SO33: FLSH_SO33.1 U265.14 U271.2